# Allegro board BRD_05101_01_rev_b01_aa.brd (continued)
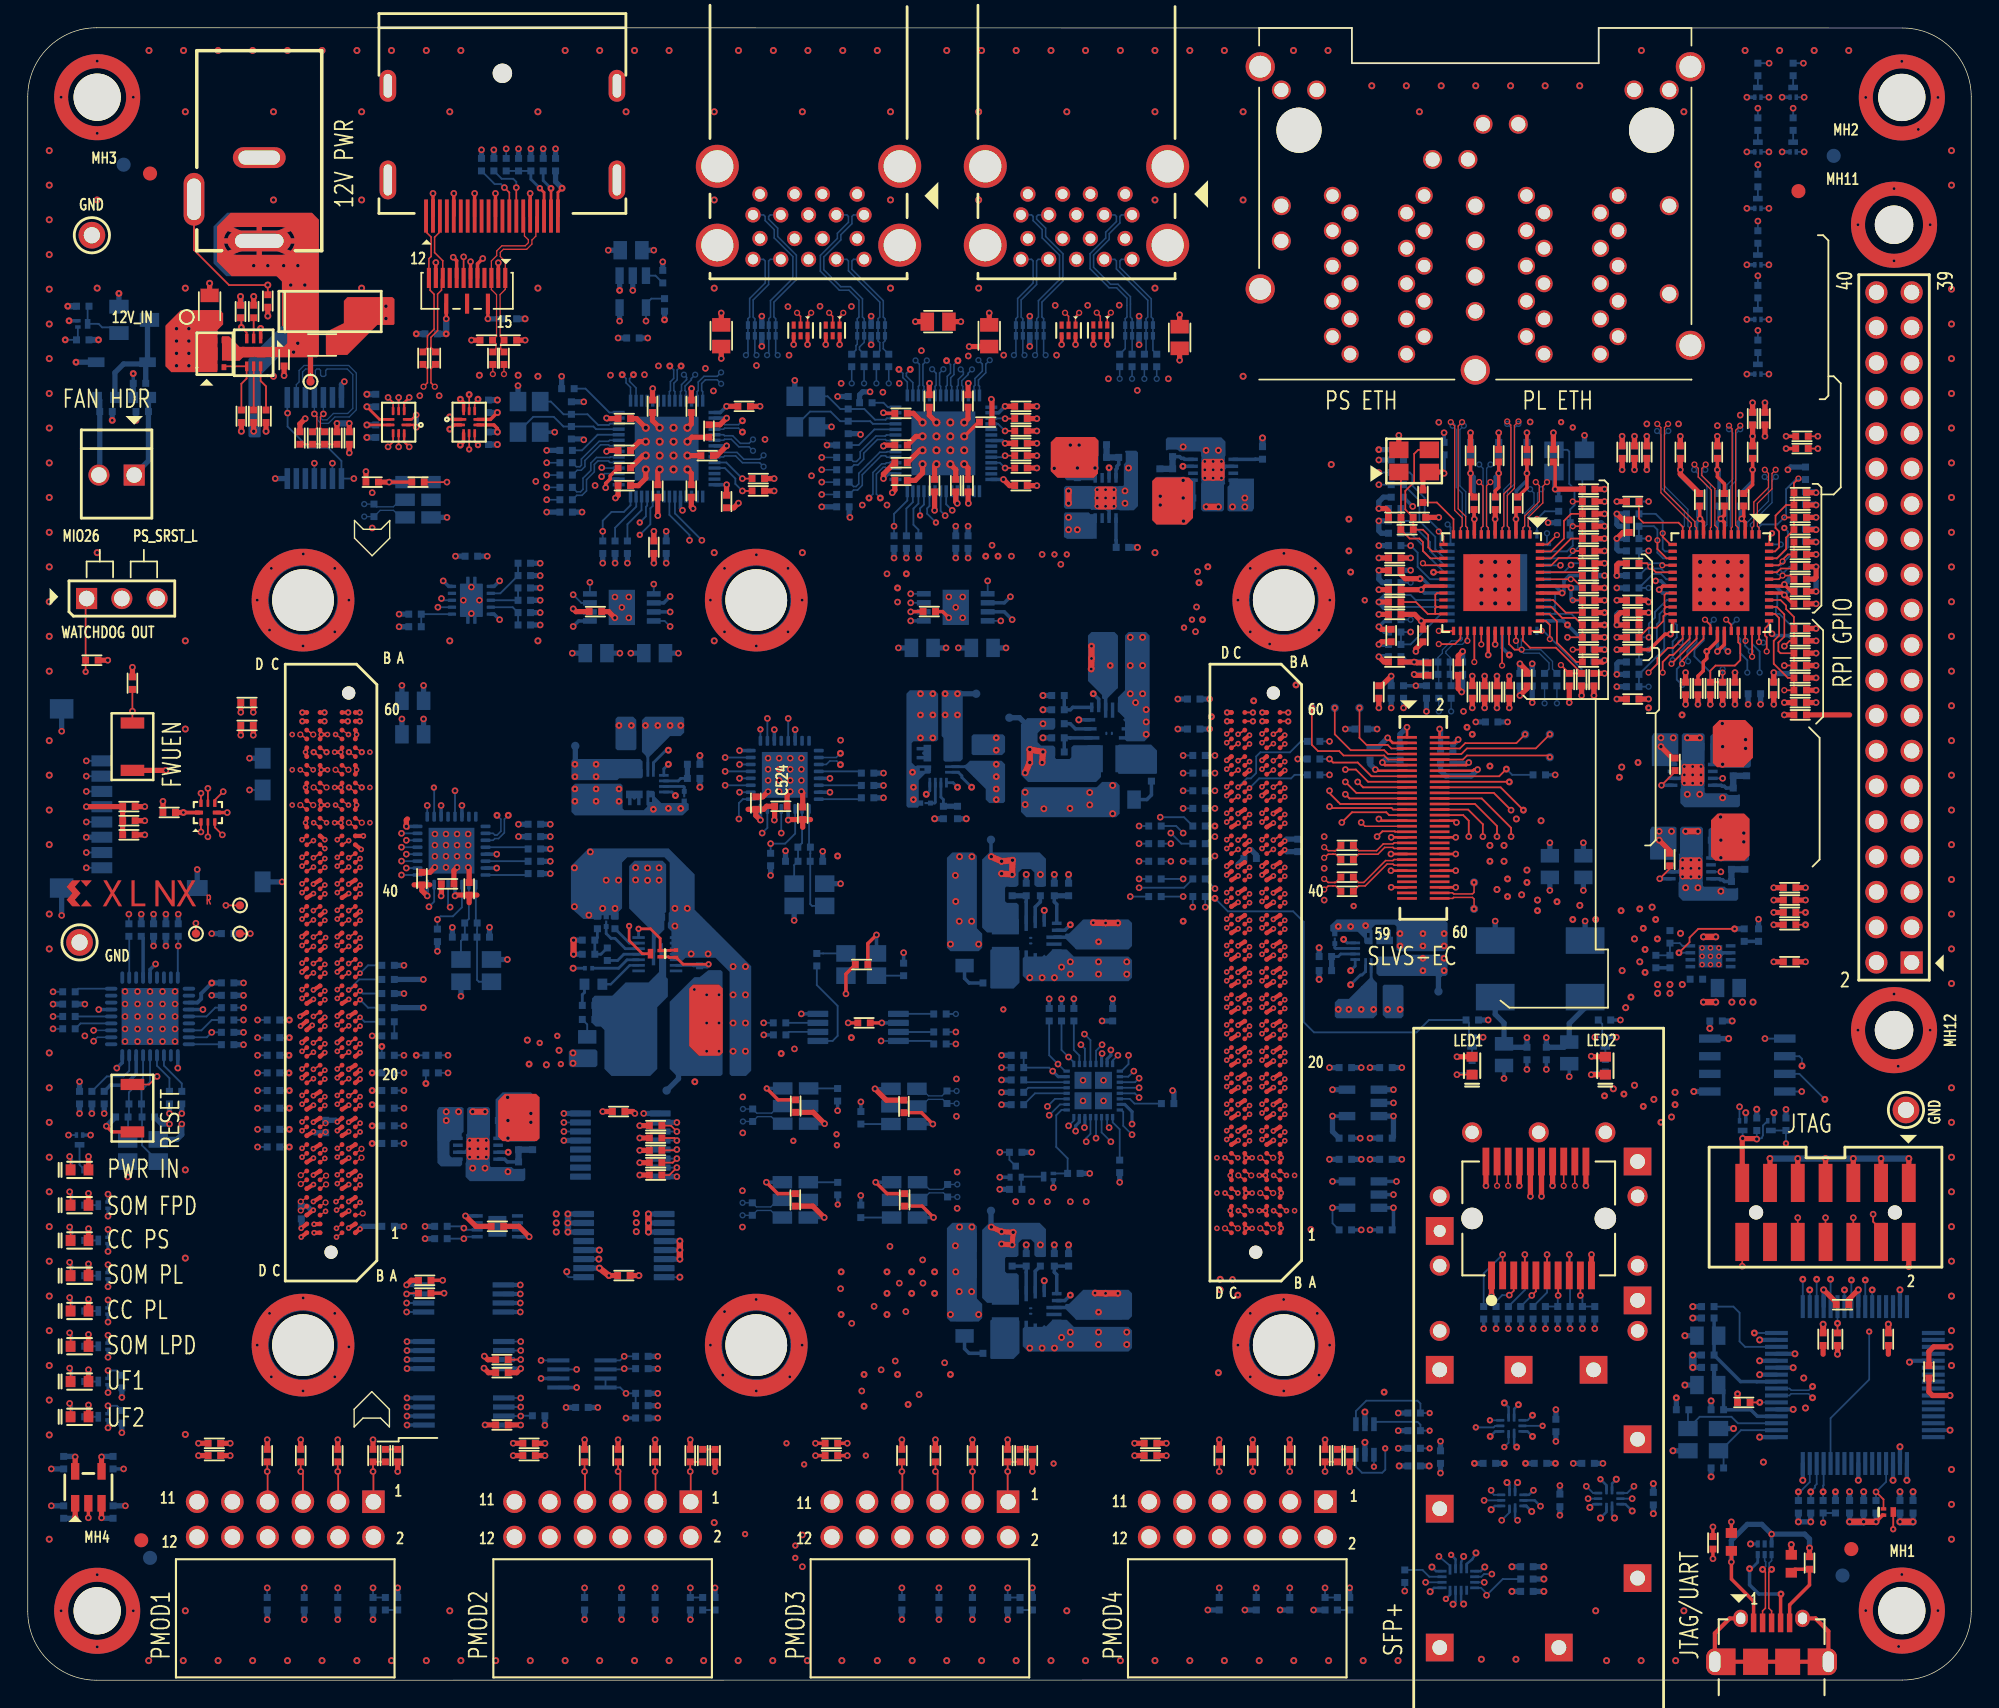
[diagram p0: board, top side]
## Routing (per net, layer and track width the routed paths; a pad name or vN(x,y) marks a point on that pad's centre or on a via; arc(x,y) is an arc through that point) (continued)
MIO66: length 43.3
  TOP w0.132: JA1.D42 v1(20.58,58.56)
  L10_SIG w0.102: v5(50.24,65.45) 50.72,65.93 50.72,67.23 48.31,69.64 39.47,69.64 39.29,69.46 39.29,69.1 39.12,68.92 38.86,68.92 38.68,69.1 38.68,69.46 38.5,69.64 38.25,69.64 38.07,69.46 38.07,69.08 37.89,68.9 37.64,68.9 37.46,69.08 37.46,69.46 37.29,69.64 31.03,69.64 22.32,60.92 21.17,60.92 21,60.75 21,58.98 v1(20.58,58.56)
  BOTTOM w0.132: U83.5 v5(50.24,65.45)
MIO67: length 50.4
  TOP w0.132: JA1.C42 v1(21.4,58.53)
  L10_SIG w0.102: v1(21.4,58.53) 21.85,58.99 21.85,59.37 22.22,59.74 23.36,59.74 23.82,60.2 24.22,60.2 24.43,59.99 25.07,59.99 27.42,62.34 28.33,62.34 28.51,62.16 28.51,61.75 28.69,61.57 28.94,61.57 29.12,61.75 29.12,62.16 29.3,62.34 29.55,62.34 29.73,62.16 29.73,61.75 29.91,61.57 30.16,61.57 30.34,61.75 30.34,62.16 30.52,62.34 30.77,62.34 30.95,62.16 30.95,61.75 31.13,61.57 31.38,61.57 31.56,61.75 31.56,62.44 32.03,62.91 32.32,62.91 32.5,62.73 32.5,61.96 32.67,61.78 32.93,61.78 33.1,61.96 33.1,62.73 33.28,62.91 35.85,62.91 36.03,62.73 36.03,60.86 36.21,60.68 36.46,60.68 36.64,60.86 36.64,62.73 36.82,62.91 37.61,62.91 38.69,61.83 38.91,61.83 39.09,61.65 39.09,60.43 39.27,60.25 39.52,60.25 39.7,60.43 39.7,61.65 39.88,61.83 40.13,61.83 40.31,61.65 40.31,60.43 40.49,60.25 40.74,60.25 40.92,60.43 40.92,61.65 41.1,61.83 42.52,61.83 45.25,64.56 47.16,64.56 48.18,63.55 48.81,63.55 49.22,63.95 v5(51.27,63.95)
  BOTTOM w0.132: U83.2 v5(51.27,63.95)
MIO68: length 50.3
  TOP w0.132: JA1.C43 v1(21.4,59.17)
  L10_SIG w0.102: v1(21.4,59.17) 21.64,59.4 21.64,59.57 22.06,59.99 23.2,59.99 23.64,60.43 24.74,60.43 29.26,64.94 30.58,64.94 30.76,65.12 30.76,66.31 30.94,66.49 31.19,66.49 31.37,66.31 31.37,65.12 31.55,64.94 31.93,64.94 32.11,64.76 32.11,63.67 32.29,63.49 32.54,63.49 32.72,63.67 32.72,64.76 32.89,64.94 33.15,64.94 33.33,64.76 33.33,63.67 33.5,63.49 33.76,63.49 33.94,63.67 33.94,64.76 34.11,64.94 34.37,64.94 34.55,64.76 34.55,63.67 34.72,63.49 34.98,63.49 35.15,63.67 35.15,64.76 35.33,64.94 36.71,64.94 39.08,62.57 39.64,62.57 39.82,62.75 39.82,64.73 40.01,64.92 40.26,64.92 40.43,64.74 40.43,62.75 40.61,62.57 42.44,62.57 44.94,65.07 48.31,65.07 48.93,64.45 v5(50.24,64.45)
  BOTTOM w0.132: U83.3 v5(50.24,64.45)
MIO69: length 50.6
  TOP w0.132: JA1.C44 v1(20.58,59.23)
  L10_SIG w0.102: v1(20.58,59.23) 19.95,59.86 19.35,59.86 19.1,60.12 19.1,62.15 21.89,64.94 25.57,64.94 30.87,70.24 31.62,70.24 31.8,70.42 31.8,70.98 31.98,71.15 32.23,71.15 32.41,70.98 32.41,70.42 32.59,70.24 32.84,70.24 33.02,70.42 33.02,70.98 33.2,71.15 33.45,71.15 33.63,70.98 33.63,70.42 33.81,70.24 34.06,70.24 34.24,70.42 34.24,70.98 34.42,71.15 34.67,71.15 34.85,70.98 34.85,70.42 35.03,70.24 35.28,70.24 35.46,70.42 35.46,70.94 35.64,71.12 35.89,71.12 36.07,70.95 36.07,70.42 36.26,70.23 48.62,70.23 51.86,66.98 51.86,65.54 v5(51.27,64.95)
  BOTTOM w0.132: U83.4 v5(51.27,64.95)
MIO70: length 53.2
  TOP w0.132: JA1.B44 v1(22.3,59.26)
  L03_SIG w0.102: v5(54.28,61.01) 53.77,61.51 48.43,61.51 47.67,62.28 44.72,62.28 44.54,62.46 44.54,64.4 44.36,64.58 44.11,64.58 43.93,64.4 43.93,62.46 43.75,62.28 42.28,62.28 42.1,62.46 42.1,64.66 41.92,64.84 41.67,64.84 41.49,64.66 41.49,62.46 41.31,62.28 40.75,62.28 40.57,62.46 40.57,62.98 40.39,63.16 40.14,63.16 39.96,62.98 39.96,62.46 39.78,62.28 38.81,62.28 38.63,62.46 38.63,64.51 38.46,64.69 38.2,64.69 38.02,64.51 38.02,62.46 37.85,62.28 36.88,62.28 36.5,61.9 36.5,60.33 34.08,57.92 27.82,57.92 27.45,57.55 26.23,57.55 25.68,58.1 22.99,58.1 22.7,58.39 22.7,58.85 v1(22.3,59.26)
  BOTTOM w0.132: U83.29 v5(54.28,61.01)
MIO71: length 53.6
  TOP w0.132: JA1.B45 v1(23.12,60.46)
  L10_SIG w0.102: v1(23.12,60.46) 23.92,61.26 24.81,61.26 31.03,67.48 31.72,67.48 31.9,67.3 31.9,66.08 32.08,65.91 32.33,65.91 32.51,66.08 32.51,67.3 32.69,67.48 32.94,67.48 33.12,67.3 33.12,66.08 33.3,65.91 33.55,65.91 33.73,66.08 33.73,67.3 33.91,67.48 34.16,67.48 34.34,67.3 34.34,66.08 34.52,65.91 34.77,65.91 34.95,66.08 34.95,67.3 35.13,67.48 35.38,67.48 35.56,67.3 35.56,66.08 35.74,65.91 35.99,65.91 36.17,66.08 36.17,67.3 36.35,67.48 36.6,67.48 36.78,67.3 36.78,66.08 36.96,65.91 37.21,65.91 37.39,66.08 37.39,67.3 37.56,67.48 37.82,67.48 38,67.3 38,66.08 38.17,65.91 38.43,65.91 38.61,66.08 38.61,67.3 38.78,67.48 41.74,67.48 41.92,67.3 41.92,66.7 42.09,66.52 42.35,66.52 42.52,66.7 42.52,67.3 42.7,67.48 42.96,67.48 43.13,67.3 43.13,66.7 43.34,66.5 43.59,66.5 43.74,66.65 43.74,67.3 43.92,67.48 46.4,67.48 48.18,65.71 48.94,65.71 49.7,64.94 50.62,64.94 51.27,65.6 v5(51.27,65.95)
  BOTTOM w0.132: U83.6 v5(51.27,65.95)
MIO72: length 42.5
  TOP w0.132: JA1.B46 v1(22.3,60.53)
  L10_SIG w0.102: v1(22.3,60.53) 22.56,60.53 24.17,62.15 24.68,62.15 30.6,68.06 32.16,68.06 32.34,68.24 32.34,68.8 32.52,68.98 32.77,68.98 32.95,68.8 32.95,68.24 33.13,68.06 33.38,68.06 33.56,68.24 33.56,68.8 33.74,68.98 33.99,68.98 34.17,68.8 34.17,68.24 34.35,68.06 34.6,68.06 34.78,68.24 34.78,68.8 34.95,68.98 35.21,68.98 35.39,68.8 35.39,68.24 35.56,68.06 35.82,68.06 36,68.24 36,68.8 36.17,68.98 36.43,68.98 36.61,68.8 36.61,68.24 36.78,68.06 40.15,68.06 40.32,68.23 40.32,68.79 40.51,68.97 40.76,68.97 40.94,68.8 40.94,68.24 41.12,68.06 41.37,68.06 41.55,68.24 41.55,68.8 41.73,68.99 41.98,68.99 42.16,68.81 42.16,68.24 42.33,68.06 48.62,68.06 v5(50.24,66.45)
  BOTTOM w0.132: U83.7 v5(50.24,66.45)
MIO73: length 54.6
  TOP w0.132: JA1.A42 v1(23.94,58.53)
  L10_SIG w0.102: v1(23.94,58.53) 24.94,58.53 26.53,56.94 27.73,56.94 28.2,57.41 31.97,57.41 32.3,57.07 33.19,57.07 33.36,57.23 33.36,57.48 33.23,57.61 33.23,57.84 33.41,58.02 33.68,58.02 33.79,57.91 34.04,57.91 34.67,58.55 34.94,58.55 35.11,58.73 35.11,59.25 35.29,59.43 35.55,59.43 35.72,59.25 35.72,58.73 35.9,58.55 36.15,58.55 36.33,58.73 36.33,59.25 36.51,59.43 36.76,59.43 36.94,59.25 36.94,58.73 37.12,58.55 38.14,58.55 38.84,57.85 40.32,57.85 42.59,60.12 43.46,60.12 43.64,60.3 43.64,61.23 43.82,61.41 44.07,61.41 44.25,61.23 44.25,60.3 44.43,60.12 44.68,60.12 44.86,60.3 44.86,61.23 45.04,61.41 45.29,61.41 45.47,61.23 45.47,60.3 45.65,60.12 45.9,60.12 46.08,60.3 46.08,61.23 46.26,61.41 46.51,61.41 46.69,61.23 46.69,60.3 46.87,60.12 47.42,60.12 50.21,62.91 51.74,62.91 52.69,63.86 52.69,66.99 52.86,67.17 55.63,67.17 55.81,67.35 55.81,67.6 55.63,67.78 52.86,67.78 52.69,67.96 52.69,68.38 v6(52.78,68.47)
  BOTTOM w0.132: U83.9 v6(52.78,68.47)
MIO74: length 50.9
  TOP w0.132: JA1.A43 v1(23.94,59.17)
  L10_SIG w0.102: v5(53.28,69.26) 52.5,69.26 52.24,69.01 52.24,64.18 51.48,63.42 49.7,63.42 48.34,62.06 43.64,62.06 40.68,59.1 40.06,59.1 39.83,59.32 39.2,59.32 38.24,60.28 37.26,60.28 36.94,59.97 34.97,59.97 34.79,60.14 34.79,61.17 34.61,61.35 34.36,61.35 34.18,61.17 34.18,60.14 34,59.97 33.75,59.97 33.57,60.14 33.57,61.17 33.39,61.35 33.14,61.35 32.96,61.17 32.96,60.14 32.78,59.97 32.55,59.97 32.32,59.73 32.32,58.25 31.98,57.91 29.01,57.91 28.83,58.09 28.83,60.2 28.65,60.38 28.4,60.38 28.22,60.2 28.22,58.09 28.04,57.91 27.82,57.91 27.35,57.45 26.75,57.45 25.03,59.17 v1(23.94,59.17)
  BOTTOM w0.132: U83.10 v5(53.28,69.26)
MIO75: length 54.8
  TOP w0.132: JA1.A44 v1(23.12,59.23)
  L10_SIG w0.102: v1(23.12,59.23) 23.54,58.81 23.54,58.21 23.67,58.09 24.73,58.09 26.38,56.43 27.99,56.43 28.58,57.02 31.59,57.02 32.05,56.56 39.92,56.56 42.85,59.48 47.8,59.48 50.77,62.45 52.61,62.45 52.79,62.63 52.79,63.01 52.97,63.19 53.22,63.19 53.4,63.01 53.4,62.63 53.58,62.45 53.83,62.45 54.01,62.63 54.01,63.01 54.19,63.19 54.44,63.19 54.62,63.01 54.62,62.63 54.8,62.45 55.6,62.45 56.43,63.29 56.43,65.61 56.61,65.79 57.83,65.79 58,65.97 58,66.22 57.83,66.4 56.61,66.4 56.43,66.58 56.43,66.83 56.61,67.01 57.83,67.01 58,67.19 58,67.44 57.83,67.62 56.61,67.62 56.43,67.8 56.43,68.25 55.42,69.26 v5(54.78,69.26)
  BOTTOM w0.132: U83.13 v5(54.78,69.26)
MIO76: length 75.7
  TOP w0.132: JA1.D44 v1(19.76,59.26)
  L03_SIG w0.102: v6(36.88,45.89) 39.8,45.89 40.81,44.88 49.58,44.88 50.21,44.24 54.81,44.24 55.39,43.66 57.62,43.66 57.87,43.91 62.1,43.91 62.63,43.38 64.44,43.38 64.86,43.8 69,43.8 69.77,44.57 71.5,44.57 71.8,44.88 74.34,44.88 75.48,43.73 78.99,43.73 v5(80.06,42.66)
  L12_SIG w0.102: v6(36.88,45.89) 34.08,48.69 29.28,48.69 29.08,48.9 26.52,48.9 25.21,50.21 25.21,52.97 24.25,53.92 19.58,53.92 19.22,54.28 19.22,58.72 v1(19.76,59.26)
  BOTTOM w0.132: 78.67,42.66 v5(80.06,42.66)
MIO77: length 78.5
  TOP w0.132: JA1.D45 v1(20.58,60.46)
  L03_SIG w0.102: v6(38.4,44.37) 38.78,43.99 48.05,43.99 49.8,42.24 50.58,42.24 51.46,43.12 62.02,43.12 62.38,42.77 79.24,42.77 v5(80.06,41.96)
  L12_SIG w0.102: v1(20.58,60.46) 20.11,59.99 19.73,59.99 18.84,59.1 18.84,52.88 19.35,52.37 23.96,52.37 24.59,51.74 24.59,49.31 25.95,47.95 33.43,47.95 36.11,45.26 37.51,45.26 v6(38.4,44.37)
  BOTTOM w0.132: v5(80.06,41.96) 79.75,42.26 U19.5
MODE0_C2M: length 2.2
  TOP w0.132: JA1.A27 v1(23.94,49.01)
  BOTTOM w0.132: R165.1 24.51,48.43 v1(23.94,49.01)
MODE1_C2M: length 2.1
  TOP w0.132: JA1.A28 v1(23.94,49.64)
  BOTTOM w0.132: R164.1 24.13,49.45 v1(23.94,49.64)
MODE2_C2M: length 3.3
  TOP w0.132: JA1.A29 v1(23.12,49.71)
  BOTTOM w0.132: R163.1 23.87,50.47 v1(23.12,49.71)
MODE3_C2M: length 2.2
  TOP w0.132: JA1.A30 v1(23.94,50.91)
  BOTTOM w0.132: v1(23.94,50.91) 24.51,51.48 R162.1
MP5016_DVDT: length 3.3
  TOP w0.132: C206.1 17.16,93.17 16.78,93.56 U41.10
MP5016_EN: length 3.1
  TOP w0.132: U41.9 R133.2
MP5016_GATE: length 5
  TOP w0.132: Q5.3 14.19,94.62 U41.8 15.77,94.61 15.77,93.74 15.39,93.36 C234.1
MP5016_ILIMIT: length 1.5
  TOP w0.132: R135.1 U41.4
MP5016_MODE: length 2.4
  TOP w0.132: C235.1 15.39,98.06 v2(15.39,97.42) 15.77,97.04 15.77,96.63 U41.5
  BOTTOM w0.132: R134.1 v2(15.39,97.42)
OSC_25M_CLK: length 7.2
  BOTTOM w0.132: R501.2 56.84,50.06 58.34,48.56 58.34,46.4 57.98,46.04 U91.1
OSC_25M_CLK_R: length 2.1
  BOTTOM w0.132: R501.1 57.29,52.34 57.29,52.34 U92.3
OSC_25M_OE: length 2
  BOTTOM w0.132: U92.1 63.08,50.74 63.08,50.74 R500.2
OSC_26M_OE: length 2.1
  BOTTOM w0.132: R494.2 58.33,42.62 U89.1
OSC_27M_OE: length 2.8
  TOP w0.127: R498.2 v5(30.2,86.28)
  BOTTOM w0.132: U86.1 v5(30.2,86.28)
OSC_74M25_OE: length 2.2
  BOTTOM w0.132: U88.1 60.02,40.05 R492.2
OSC_125M_OE: length 2.1
  BOTTOM w0.132: U87.1 58.34,35.86 R490.2
OSC_156M25_OE: length 2.2
  BOTTOM w0.132: R496.2 60.01,33.32 U90.1
PC4_CON_PGND: length 7.2
  TOP w0.381: v5(124.55,38.97) 124.52,39 123.55,39 v5(123.54,39.02) 123.51,38.99 J3.13
  BOTTOM w0.132: Q12.1 125,39.94 125,39.26 124.92,39.05 124.71,38.97 v5(124.55,38.97) R234.2 ; Q13.3 v5(123.54,39.02)
PL_1V8: length 69.4
  TOP w0.191: J22.4 102.81,67.5 v5(103.04,67.74) ; J22.2 v5(101.71,68.5)
  TOP w0.254: C591.1 v5(61.53,47.34) ; U80.19 117.78,78.79 v5(117.52,78.53) ; C464.1 120.32,72.31 120.7,72.69 120.7,73.33 120.95,73.58 v2(120.95,74.09) 121.72,74.85 U80.30 ; U80.41 126.4,78.29 v5(126.54,78.15) 127.17,77.52 C477.1 ; C592.1 60.52,53.05 v5(61.14,53.67)
  TOP w0.305: JA2.B42 v1(88.91,57.99) ; JA2.A44 v1(90.55,59.8) ; JA2.C44 v1(88.01,59.8) ; JA2.D42 v1(86.37,57.99) ; JA1.D2 v1(19.7,32.55) ; JA1.D1 v1(19.7,31.91)
  TOP w0.381: R381.1 v5(128.83,73.96) ; v5(116.76,76.88) C478.1 C463.1 ; R378.1 114.6,80.44 114.47,80.31 114.47,79.55 v5(114.47,79.55) ; R401.1 128.7,79.29 128.82,79.42 128.82,80.18 v5(128.83,80.18) R379.1 ; R397.1 v5(114.47,75.1) ; C475.1 v5(116.76,70.66) ; C476.1 114.91,83.55 v5(114.47,83.99) ; R385.1 v5(128.83,72.18) ; R380.1 v5(128.83,75.74) ; R382.1 v5(128.83,81.07) ; R383.1 v5(128.83,82.85) ; C465.1 v5(126.54,70.4) ; C466.1 v5(122.98,72.56) ; R384.1 v5(128.83,84.63) ; R387.1 v5(121.2,70.28)
  TOP w0.457: v7(69.41,59.31) v7(70.15,58.97) v7(70.94,59.05) v7(70.91,58.02) v7(70.15,58.09)
  BOTTOM w0.254: U92.4 v5(61.14,53.67) ; C452.1 126.79,78.41 v5(126.54,78.15) 125.9,78.79 U79.19 ; v5(63.1,52.39) 63.1,51.64 R500.1 ; R446.1 v5(75.36,49.07) ; U79.30 122.22,74.34 122.47,74.09 v5(122.47,74.09) ; v5(70.02,36.22) Q33.2 ; R507.1 v5(53.02,46.47) ; v7(69.41,59.31) 69.39,59.33 TP24.1 ; U79.41 117.76,78.29 v5(117.52,78.53) ; R443.2 v5(110.03,65.2) ; U91.6 v5(61.53,47.34)
  BOTTOM w0.381: v5(103.04,67.74) 102.66,67.36 C543.1 ; v5(128.83,82.85) 128.76,82.92 C439.1 ; C442.1 v5(124.83,70.28) ; C582.1 19.71,32.55 v1(19.7,32.55) ; C465.1 v5(126.54,70.4) ; C453.1 128.77,84.69 v5(128.83,84.63) ; R488.1 v5(70.02,35.35) ; R387.1 v5(121.2,70.28) ; R290.1 v7(70.91,58.02) ; C586.1 90.69,59.67 v1(90.55,59.8) ; R379.1 v5(128.83,80.18) ; R360.1 v5(114.47,72.44) 114.47,72.44 114.47,73.2 114.6,73.33 R356.1 ; R378.1 114.73,80.44 114.47,80.18 114.47,79.55 v5(114.47,79.55) R354.1 ; R359.1 v5(114.47,83.99) 114.47,83.99 114.47,83.23 114.6,83.1 R358.1 ; v5(101.71,68.5) 101.77,68.43 C539.1 ; C585.1 88.51,59.42 88.13,59.8 v1(88.01,59.8) ; R380.1 v5(128.83,75.74) ; C478.1 v5(116.76,76.88) ; C466.1 v5(122.98,72.56) ; R442.2 v5(91.49,66.34) ; C383.1 v7(72.94,58.02) ; R376.1 v5(114.47,78.66) ; C475.1 v5(116.76,70.66) ; R486.1 v5(76.5,36.5) ; C538.1 v5(104.31,69.01) ; R397.1 v5(114.47,75.1)
PL_1V8_FB: length 3
  BOTTOM w0.254: U72.10 71.92,56.05 71.93,56.05 R291.1
  BOTTOM w0.381: R290.2 R291.1
PL_1V8_MODE: length 3.1
  BOTTOM w0.254: R292.1 73.95,56.05 74.12,55.88 U72.13
  BOTTOM w0.381: R289.2 R292.1
PL_1V8_RAMP: length 2
  BOTTOM w0.254: U72.11 72.57,55.68 72.94,56.05 C383.2
PL_3V3: length 54.7
  TOP w0.254: C590.1 64.43,34.14 v5(65.25,33.32) ; v5(65.2,40.05) 64.38,40.87 C588.1
  TOP w0.305: JA1.B13 v1(22.3,39.57) ; JA2.D60 v6(86.39,69.69) ; JA2.B59 v6(88.93,69.06) ; JA1.B14 v1(22.3,40.21) ; JA2.D59 v6(86.39,69.06) ; JA2.B60 v6(88.93,69.69)
  TOP w0.381: C577.1 35.5,18.39 v5(35.51,18.38) ; v7(70.15,31.42) v7(70.91,31.35) v7(70.99,32.25) v7(70.15,32.3) v7(69.41,32.64) ; v7(117.65,67.23) 118.47,66.41 R472.1 ; C437.1 27.63,28.8 v5(27.29,28.47) ; v5(31.53,33.44) 32.28,32.69 C436.1 ; U42.5 v5(3.41,16.08) ; v7(117.52,60.5) 118.28,59.74 R471.1
  L12_SIG w0.254: v5(60.02,41.65) 60.01,41.64 v5(60.01,34.91)
  BOTTOM w0.254: R338.2 v5(111.1,25.32) ; R337.2 v5(105.77,25.32) ; R339.2 v5(108.44,25.32) ; v7(69.41,32.64) 69.39,32.66 ; U90.6 v5(65.25,33.32) ; R336.2 v5(104.88,25.32) ; R335.2 v5(107.55,25.32) ; R342.2 v5(112.88,25.32) ; U88.6 v5(65.2,40.05) ; R334.2 v5(106.66,25.32) ; R496.1 v5(60.01,34.91) ; U85.2 v5(27.32,19.03) ; R492.1 v5(60.02,41.65) ; U75.8 v5(31.53,33.44) ; R341.2 v5(110.22,25.32) ; 3.41,16.12 3.38,16.12 v5(3.41,16.08) 3.41,16.12
  BOTTOM w0.305: U76.8 v5(27.29,28.47) ; U85.8 v5(35.51,18.38) ; U76.1 v5(35.48,28.47)
  BOTTOM w0.381: C581.1 22.18,40.32 v1(22.3,40.21) ; C575.1 v5(112.06,56.88) ; U74.5 v5(93.99,42.53) ; R347.1 v5(28.62,32.69) ; C583.1 v5(85.14,68.5) ; C430.1 v5(93.77,44.12) ; R348.1 v5(28.62,31.8) ; C237.1 3.38,16.12 ; L11.1 v5(105.71,54.67) ; R166.1 v5(7.03,12.56) ; L10.1 v5(112.19,54.67) ; R333.1 v5(96.69,39.04) ; R13.1 v7(70.91,31.35) ; C576.1 v5(109.65,56.88) ; C584.1 v5(85.14,70.66) ; C9.1 v7(72.94,31.35) ; 69.39,32.66 TP21.1
  vias: v7(117.52,61.13) v7(117.65,67.86) v7(118.41,61.13) v7(118.54,67.86)
PL_3V3_FB: length 3
  BOTTOM w0.254: R13.2 R43.1 71.93,29.38 71.92,29.38 U2.10
PL_3V3_MODE: length 3.1
  BOTTOM w0.254: R12.2 R42.1 73.95,29.38 74.12,29.21 U2.13
PL_3V3_RAMP: length 2
  BOTTOM w0.254: C9.2 72.57,29.45 U2.11
PL_3V8: length 9.4
  TOP w0.191: v5(99.36,68.63) J22.1 ; J22.3 98.33,67.5 v5(97.96,67.86)
  BOTTOM w0.203: v2(94.79,53.35) 95.04,53.1 U4.12
  BOTTOM w0.381: C541.1 v5(97.2,68.5) ; TP19.1 101.62,50.69 v2(102.03,51.1) ; C542.1 98.85,68.12 v5(99.36,68.63) ; R18.1 v7(93.03,52.75) ; v5(97.96,67.86) 97.27,67.17 C540.1
  vias: v2(100.5,51.99) v2(100.5,51.1) v2(102.03,51.99)
PL_3V8_FB: length 2.8
  BOTTOM w0.203: U4.10 94.59,52.3 94.41,52.12 R18.2
  BOTTOM w0.381: R18.2 R20.1
PL_ETH_1V0: length 33.7
  TOP w0.254: C482.1 127.05,78.41 v5(126.54,78.91) 126.42,78.79 U80.42 ; U80.24 118.49,75.49 v2(118.33,75.33) 117.95,75.33 116.83,74.21 C486.1 ; C472.1 122.22,83.89 v5(121.97,83.64) 122.22,83.39 U80.6 ; U80.31 122.22,74.59 v5(121.72,74.09)
  TOP w0.381: C471.1 v5(124.25,89.58) C484.1 ; C485.1 v5(125.78,72.56) ; v7(121.97,60.5) v7(121.94,62.16) ; v5(116.76,77.64) 116.63,77.77 C481.1 ; v7(123.62,60.37) v7(123.62,61.01) ; C474.1 v5(119.43,72.56) ; C483.1 v5(125.14,89.58) ; C473.1 v5(121.71,89.58)
  BOTTOM w0.254: C461.1 121.84,83.76 v5(121.97,83.64) 121.72,83.39 U79.6 ; C483.1 v5(125.14,89.58) ; v5(121.72,74.09) U79.31 ; U79.24 125.44,75.57 v5(125.65,75.36) 125.78,75.23 126.85,75.23 C450.1 ; 122.98,61.26 123.24,61.01 v7(123.62,61.01) ; v5(117.27,79.17) 117.65,79.17 118.02,78.79 U79.42 ; C471.1 v5(124.25,89.58) C484.1 ; C473.1 v5(121.71,89.58)
  BOTTOM w0.381: C485.1 v5(125.78,72.56) 125.85,72.49 126.98,72.49 127.23,72.75 C457.1 ; v5(116.76,77.64) 116.63,77.77 C481.1 ; 122.98,61.26 TP23.1 ; v5(126.54,78.91) 126.92,79.29 C448.1
  vias: v7(121.97,59.23)
PL_ETH_1V0_EN: length 2
  TOP w0.132: R471.2 118.28,58.44 v5(117.56,57.72)
  BOTTOM w0.254: U8.5 v5(117.56,57.72)
PL_ETH_1V0_FB: length 3.4
  BOTTOM w0.254: U8.4 121.86,57.72 121.93,57.65 122.09,57.65 122.22,57.52 R29.1
  BOTTOM w0.457: R27.2 C27.2 R29.1
PL_ETH_2V5: length 18.5
  TOP w0.254: U80.3 123.72,83.39 v5(123.47,83.64) 123.62,83.79 C480.1 ; U80.9 120.72,83.39 v5(120.47,83.64) 120.44,83.66 C467.1
  TOP w0.381: C469.1 v5(119.05,89.58) ; C468.1 v5(116.63,89.58) ; C470.1 v5(114.85,87.17) ; C479.1 v5(115.74,87.17) ; v7(123.74,67.1) v7(123.74,67.74) ; v7(122.09,67.23) v7(122.07,68.9)
  BOTTOM w0.254: U79.9 123.22,83.39 v5(123.47,83.64) 123.36,83.74 C444.1 ; C469.1 v5(119.05,89.58) ; v7(123.74,67.74) 123.36,67.74 123.11,67.99 ; C445.1 120.32,83.79 v5(120.47,83.64) 120.22,83.39 U79.3
  BOTTOM w0.381: C468.1 v5(116.63,89.58) ; C479.1 v5(115.74,87.17) ; C470.1 v5(114.85,87.17) ; 123.11,67.99 TP40.1
  vias: v7(122.09,65.96)
PL_ETH_2V5_EN: length 2.3
  TOP w0.132: v5(117.69,64.45) 118.66,65.42 R472.2
  BOTTOM w0.254: U9.5 v5(117.69,64.45)
PL_ETH_2V5_FB: length 3.4
  BOTTOM w0.254: R23.1 122.35,64.25 122.22,64.38 122.06,64.38 121.99,64.45 U9.4
  BOTTOM w0.457: R23.1 C21.2 R24.2
PL_FRAMOS_OD_RESET_B: length 6.5
  BOTTOM w0.132: Q34.1 74.9,36.49 R486.2 74.91,37.58 74.09,38.4 74.09,40.69 74.47,41.07 74.84,41.07 74.84,41.06
PL_FRAMOS_RESET_B: length 52.1
  TOP w0.114: v5(96.06,61.77) 96.33,61.5 J22.33
  L12_SIG w0.102: v5(70.02,38.02) 70.66,38.65 73.48,38.65 75.13,37 80.95,37 86.03,42.08 86.53,42.08 86.79,42.34 86.79,51.23 87.17,51.61 90.72,51.61 94.24,55.12 95.89,55.12 96.69,55.92 96.69,61.13 v5(96.06,61.77)
  BOTTOM w0.132: Q33.3 70.72,37.47 R489.1 v5(70.02,38.02)
PL_GEM2_RESET_B: length 72.2
  L12_SIG w0.102: v4(116.76,78.66) 114.98,76.88 114.98,69.64 111.39,66.05 106.25,66.05 104.19,63.99 100.06,63.99 98.6,62.53 94.28,62.53 92.63,60.88 92.63,56.94 90.98,55.29 86.03,55.29 84.88,54.15 84.88,49.83 78.53,43.48 78.53,41.58 76.95,40 v5(76.95,39.04)
  BOTTOM w0.127: U19.12 v5(76.95,39.04)
  BOTTOM w0.132: U79.43 118.04,79.29 117.65,79.68 117.08,79.68 R376.2 v4(116.76,78.66)
PL_GEM3_RESET_B: length 86.1
  TOP w0.127: R401.2 126.98,79.55 v3(126.41,79.55) 126.15,79.29 U80.43
  L03_SIG w0.102: v6(95.51,55.75) 97.46,57.7 103.15,57.7 104.97,59.53 106.68,59.53 107.36,60.22 107.36,61.39 108.23,62.25 108.23,64.28 110.16,66.21 110.16,67.13 112.37,69.34 112.37,71.34 112.68,71.66 112.68,79.66 113.03,80.01 114.17,80.01 114.98,80.82 117.39,80.82 118.03,81.45 124.51,81.45 v3(126.41,79.55)
  L12_SIG w0.102: v6(95.51,55.75) 93.98,55.75 91.74,53.51 86.15,53.51 85.52,52.88 85.52,44.5 79.29,38.27 76.75,38.27 v5(76.25,38.78)
  BOTTOM w0.127: 76.55,40.55 76.55,39.34 76.25,39.04 v5(76.25,38.78)
PL_RESET_OUT4_B_NC: length 0.8
  BOTTOM w0.127: 75.35,40.55 75.35,40.3 v5(74.98,39.92)
PMOD1_IO1_HDA11: length 73.8
  TOP w0.132: J2.1 24.9,15 v5(24.87,15.03) C372.1 R274.2
  L05_SIG w0.102: v5(27.1,41.19) 26.59,40.68 26.59,37.9 26.77,37.72 28.44,37.72 28.62,37.55 28.62,37.29 28.44,37.11 26.77,37.11 26.59,36.94 26.59,36.68 26.77,36.5 28.44,36.5 28.62,36.33 28.62,36.07 28.44,35.9 26.77,35.9 26.59,35.72 26.59,35.46 26.77,35.29 28.44,35.29 28.62,35.11 28.62,34.85 28.44,34.68 26.77,34.68 26.59,34.5 26.59,34.24 26.77,34.07 28.44,34.07 28.62,33.89 28.62,33.64 28.44,33.46 26.77,33.46 26.59,33.28 26.59,31.42 26.08,30.91 26.08,25.95 27.01,25.02 29.51,25.02 29.82,24.72 29.82,24.2 29.99,24.02 31.11,24.02 31.29,23.84 31.29,23.59 31.11,23.41 28.56,23.41 28.37,23.22 28.37,22.97 28.54,22.8 31.11,22.8 31.29,22.62 31.29,22.37 31.11,22.19 29.99,22.19 29.82,22.01 29.82,21.76 29.99,21.58 31.11,21.58 31.29,21.4 31.29,21.15 31.11,20.97 29.99,20.97 29.82,20.79 29.82,20.54 29.99,20.36 31.11,20.36 31.29,20.18 31.29,19.93 31.11,19.75 29.99,19.75 29.82,19.57 29.82,19.32 29.99,19.14 31.11,19.14 31.29,18.96 31.29,18.71 31.11,18.53 29.99,18.53 29.82,18.36 29.82,18.1 29.99,17.92 31.11,17.92 31.29,17.75 31.29,17.49 31.11,17.31 29.99,17.31 29.82,17.14 29.82,16.88 29.99,16.7 31.11,16.7 31.29,16.53 31.29,16.07 30.88,15.67 25.51,15.67 v5(24.87,15.03)
  BOTTOM w0.132: R276.2 v5(27.1,41.19)
PMOD1_IO2_HDA12: length 67.3
  TOP w0.132: J2.3 22.36,15 v5(22.33,15.03) C374.1
  L05_SIG w0.102: v5(22.33,15.03) 21.51,15.85 21.51,20.75 22.14,21.38 23.8,21.38 24.18,21.76 24.18,27.71 23.85,28.04 20.7,28.04 20.49,28.25 20.49,28.58 20.7,28.78 24.1,28.78 24.3,28.98 24.3,29.31 24.08,29.54 19.96,29.54 16,33.5 16,33.73 16.18,33.91 19.5,33.91 19.68,34.08 19.68,34.34 19.5,34.52 16.18,34.52 16,34.69 16,34.95 16.18,35.12 19.5,35.12 19.68,35.3 19.68,35.56 19.5,35.73 16.18,35.73 16,35.91 16,36.17 16.18,36.34 19.5,36.34 19.68,36.52 19.68,36.77 19.5,36.95 16.18,36.95 16,37.13 16,41.91 v5(16.56,42.46)
  BOTTOM w0.132: R278.2 v5(16.56,42.46)
PMOD1_IO3_HDA13: length 69.9
  TOP w0.132: C377.1 v5(19.66,15.03) 19.82,14.88 J2.5
  L05_SIG w0.102: v5(16.56,45) 14.27,42.72 14.27,41.85 14.45,41.67 15.21,41.67 15.39,41.49 15.39,41.24 15.21,41.06 14.45,41.06 14.27,40.88 14.27,40.63 14.45,40.45 15.21,40.45 15.39,40.27 15.39,40.02 15.21,39.84 14.45,39.84 14.27,39.66 14.27,33.42 16.05,31.64 16.05,30.84 16.23,30.66 18,30.66 18.18,30.48 18.18,30.23 18,30.05 16.23,30.05 16.05,29.87 16.05,29.62 16.23,29.44 18,29.44 18.18,29.26 18.18,29.01 18,28.83 16.23,28.83 16.05,28.65 16.05,28.4 16.23,28.22 18,28.22 18.18,28.04 18.18,27.79 18,27.61 16.23,27.61 16.05,27.44 16.05,24.25 15.85,24.05 14.47,24.05 14.27,23.85 14.27,23.52 14.47,23.31 15.85,23.31 16.05,23.11 16.05,22.78 15.85,22.58 14.47,22.58 14.27,22.37 14.27,22.04 14.47,21.84 15.85,21.84 16.05,21.64 16.05,21.31 15.85,21.1 14.47,21.1 14.27,20.9 14.27,20.44 14.47,20.24 20.04,20.24 20.37,19.91 20.37,19.56 20.19,19.38 18.97,19.38 18.79,19.2 18.79,18.95 18.97,18.77 20.19,18.77 20.37,18.59 20.37,16.98 20.19,16.8 18.87,16.8 18.69,16.62 18.69,16.37 18.87,16.19 20.19,16.19 20.37,16.01 20.37,15.73 v5(19.66,15.03)
  BOTTOM w0.132: R280.2 v5(16.56,45)
PMOD1_IO4_HDA14: length 69.4
  TOP w0.132: C379.1 v5(17.25,15.03) 17.28,15 J2.7
  L05_SIG w0.102: v5(17.25,15.03) 18.08,15.86 18.08,17.71 17.88,17.91 13.71,17.91 13.51,18.11 13.51,18.44 13.71,18.65 18,18.65 18.21,18.85 18.21,19.18 18,19.38 13.84,19.38 13.64,19.59 13.64,24.79 13.81,24.97 15.18,24.97 15.36,25.15 15.36,25.4 15.18,25.58 13.81,25.58 13.64,25.76 13.64,26.01 13.81,26.19 15.18,26.19 15.36,26.37 15.36,26.62 15.18,26.8 13.81,26.8 13.64,26.98 13.64,27.23 13.81,27.41 15.18,27.41 15.36,27.59 15.36,27.84 15.18,28.02 13.81,28.02 13.64,28.2 13.64,28.45 13.81,28.63 15.18,28.63 15.36,28.81 15.36,29.06 15.18,29.24 13.81,29.24 13.64,29.42 13.64,29.67 13.81,29.85 15.18,29.85 15.36,30.03 15.36,30.28 15.18,30.46 13.81,30.46 13.64,30.64 13.64,30.89 13.81,31.07 15.18,31.07 15.36,31.25 15.36,31.5 15.18,31.68 13.81,31.68 13.64,31.86 13.64,43.1 14.29,43.75 14.29,44 13.79,44.5 13.79,44.75 13.97,44.93 14.22,44.93 14.72,44.44 14.97,44.44 16.56,46.02 v5(16.56,46.27)
  BOTTOM w0.132: R282.2 v5(16.56,46.27)
PMOD1_IO5_HDA15: length 71.3
  L05_SIG w0.102: J2.2 24.87,10.38 v5(24.87,6.65) 25.63,5.89 27.48,5.89 32.05,10.46 32.05,11.11 31.87,11.29 28.14,11.29 27.96,11.47 27.96,11.72 28.14,11.9 31.87,11.9 32.05,12.08 32.05,12.33 31.87,12.51 28.14,12.51 27.96,12.69 27.96,12.94 28.14,13.12 31.87,13.12 33.53,14.78 35.73,14.78 36.56,15.6 36.56,20.68 34.84,22.4 34.84,28.75 32.69,30.91 32.69,33.83 29.26,37.26 29.26,41.58 v5(27.1,43.73)
  BOTTOM w0.132: R277.2 v5(27.1,43.73) ; R275.2 C373.1 v5(24.87,6.65)
PMOD1_IO6_HDA16_CC: length 69.1
  L05_SIG w0.102: J2.4 22.33,10.38 v5(22.33,6.65) 23.67,7.99 23.67,15.69 24.25,16.28 28.85,16.28 29.13,16.56 29.13,17.02 28.95,17.2 27.95,17.2 27.78,17.38 27.78,17.63 27.95,17.81 28.95,17.81 29.13,17.99 29.13,18.24 28.95,18.42 28.17,18.42 27.99,18.6 27.99,18.85 28.17,19.03 28.95,19.03 29.13,19.21 29.13,19.46 28.95,19.64 28.17,19.64 27.99,19.82 27.99,20.07 28.17,20.25 28.95,20.25 29.13,20.43 29.13,20.75 28.9,20.98 25.75,20.98 25.57,21.15 25.57,21.41 25.75,21.59 26.41,21.59 26.59,21.76 26.59,22.02 26.41,22.2 25.75,22.2 25.57,22.37 25.57,22.63 25.75,22.8 26.41,22.8 26.59,22.98 26.59,23.24 26.41,23.41 25.75,23.41 25.57,23.59 25.57,23.85 25.75,24.02 26.41,24.02 26.59,24.2 26.59,24.43 25.57,25.45 25.57,31.16 25.95,31.54 25.95,41.13 26.13,41.31 26.28,41.31 26.46,41.49 26.46,41.74 26.28,41.92 26.13,41.92 25.95,42.1 25.95,42.35 26.13,42.53 26.28,42.53 26.46,42.71 26.46,42.96 26.28,43.14 26.13,43.14 25.95,43.32 25.95,43.61 26.72,44.37 28.02,44.37 28.2,44.19 28.2,43.66 28.38,43.48 28.63,43.48 28.81,43.66 28.81,44.19 28.99,44.37 29.64,44.37 v5(30.27,45)
  BOTTOM w0.132: R279.2 v5(30.27,45) ; C375.1 v5(22.33,6.65)
PMOD1_IO7_HDA17: length 70.5
  L05_SIG w0.102: v5(27.1,45) 26.46,45 25.32,43.86 25.32,38.17 25.14,37.99 24.63,37.99 24.46,37.81 24.46,37.56 24.63,37.38 25.14,37.38 25.32,37.2 25.32,36.95 25.14,36.77 24.63,36.77 24.46,36.59 24.46,36.34 24.63,36.16 25.14,36.16 25.32,35.98 25.32,35.73 25.14,35.55 24.63,35.55 24.46,35.37 24.46,35.12 24.63,34.94 25.14,34.94 25.32,34.76 25.32,34.51 25.14,34.33 24.63,34.33 24.46,34.15 24.46,33.9 24.63,33.72 25.14,33.72 25.32,33.54 25.32,33.29 25.14,33.11 24.63,33.11 24.46,32.93 24.46,32.68 24.63,32.5 25.14,32.5 25.32,32.32 25.32,32.02 25.14,31.84 23.16,31.84 22.98,31.66 22.98,31.41 23.16,31.23 24.43,31.23 25.07,30.6 25.07,21.38 24.46,20.77 23.34,20.77 23.03,20.47 23.03,20.1 23.28,19.86 25.82,19.86 25.93,19.75 25.93,19.49 25.75,19.32 22.35,19.32 22.17,19.14 22.17,18.88 22.35,18.71 25.75,18.71 25.93,18.53 25.93,18.27 25.75,18.1 23.21,18.1 23.03,17.92 23.03,14.78 22.53,14.27 21.76,14.27 21.13,13.64 21.13,7.86 v5(19.92,6.65) 19.82,6.75 J2.6